# Altium PCB AMTAUD.PcbDoc (part 2 of 2)
Units mm, origin at the board's own origin, x right, y up, seen from the top; angles counter-clockwise.
Board outline 79 x 63 mm, 4 copper layers (Top Layer, Layer 2, Layer 3, Bottom Layer), stack 1.513 mm thick; 100 components, 53 nets, 264 pads, 307 vias.
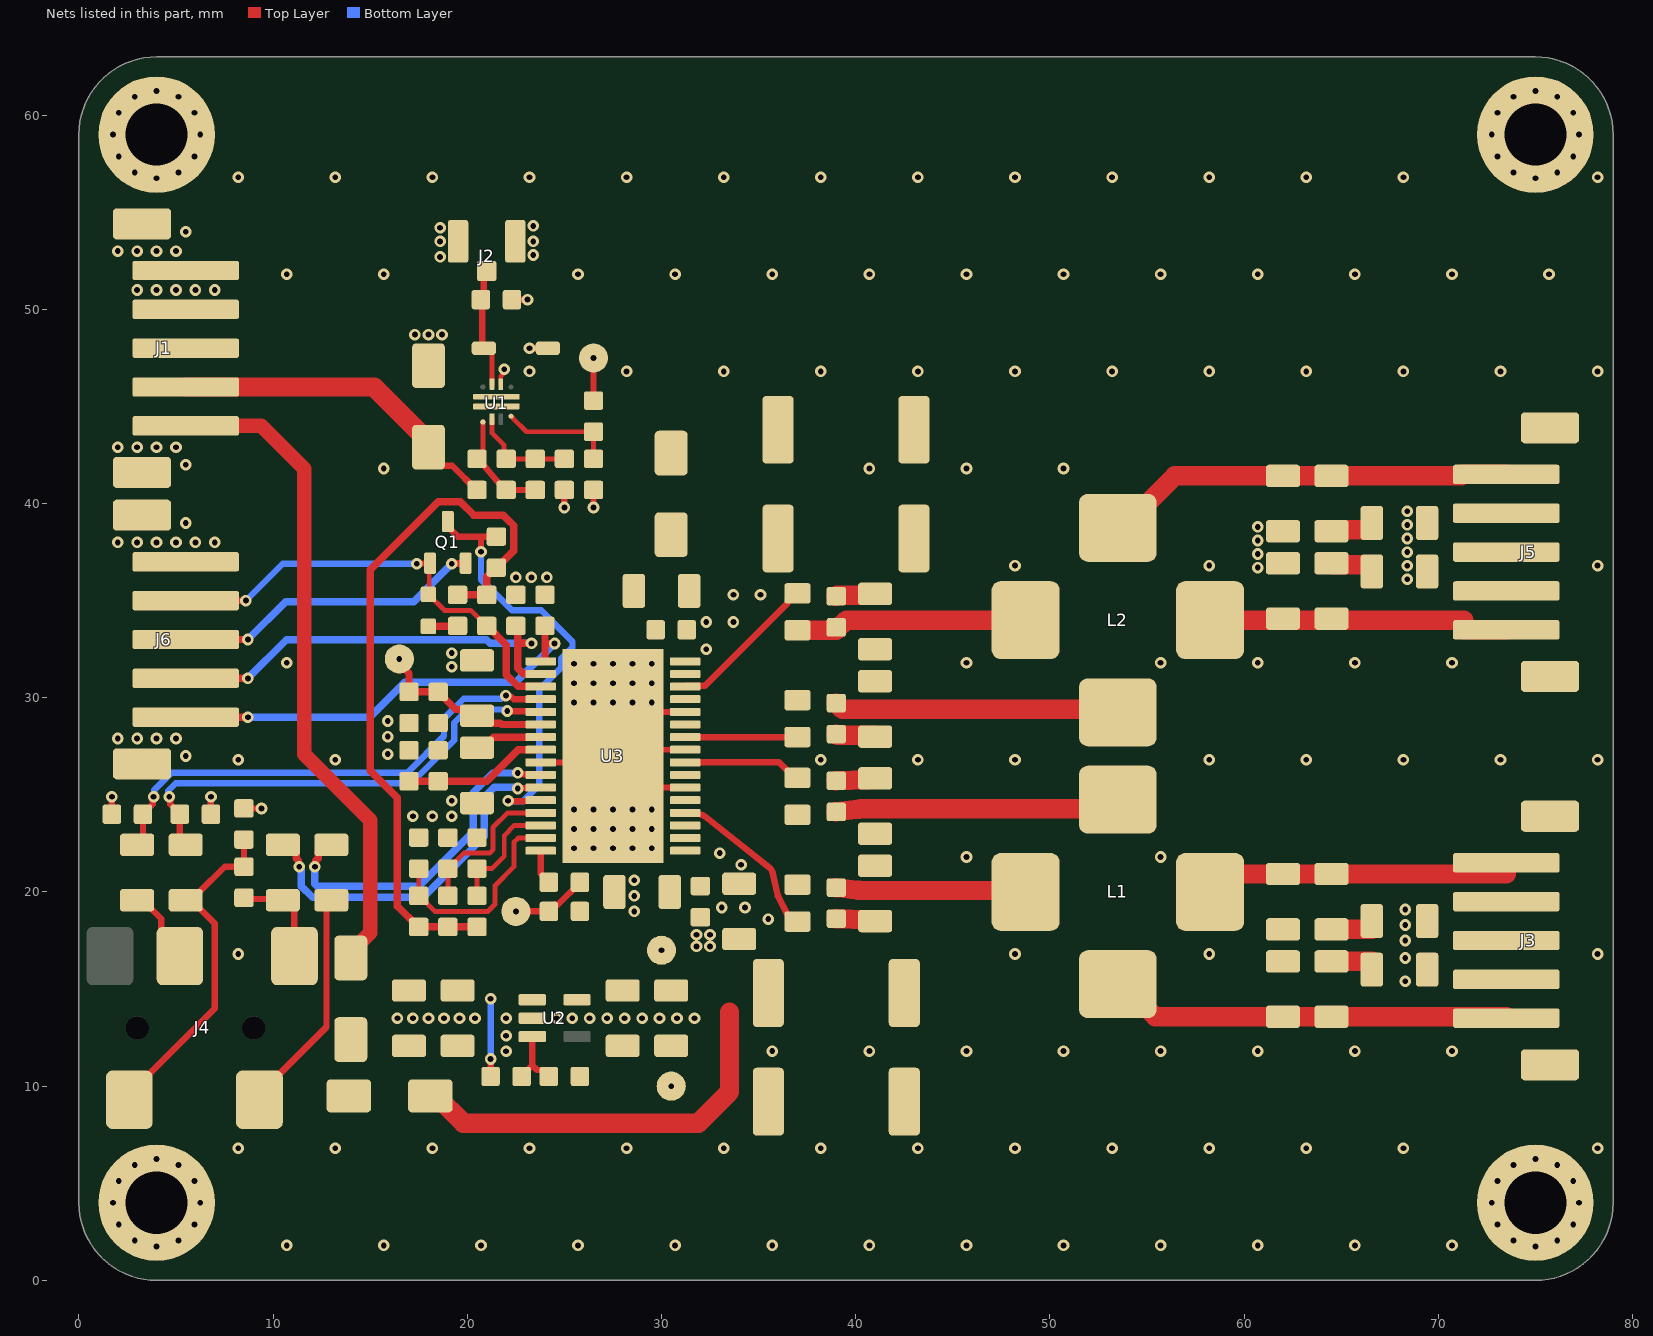
[diagram p4: the nets of this part, all layers, seen from the top]

## Part data (continued)
TP1 TP2 TP4 TP5 TP6: library part CMP-027-000000-17, "Testpad land", Component Type=Standard, Design Item ID=Testpad, Pin Count=1
U1: library part CMP-019-00108-1, "2.7V~23V 5.5A VQFN-10-HR(2x2) Power Distribution Switches ROHS", JLCPCB Part #=C3210761, RoHS Compliant=Yes
U2: library part CMP-019-00109-1, "Linear Voltage Regulator IC Positive Fixed 1 Output 5V 150mA SOT-23-5", Case/Package=SOT-23-5, Dropout Voltage=690mV, JLCPCB Part #=C96028, Max Operating Temperature=125°C, Max Output current=150mA, Max Supply Voltage=30V, Min Current Limit=200mA, Min Input Voltage=2.7V, Min Operating Temperature=-40°C, Nominal Output Voltage=5V, Package Quantity=1, Power Supply Rejection Ratio (PSRR)=80dB, Accuracy=2%, Lead Free="Lead Free", Mounting Technology="Surface Mount", Number of Outputs=1, Number of Regulators=1, Output Current=150mA, Output Type=Fixed, Output Voltage=5V, Packaging="Tape and Reel", Pins=5, Polarity=Positive, Radiation Hardening=No, Reach SVHC Compliant=No, RoHS Compliant=Yes, Series=-
U3: library part CMP-014-00029-7, "Audio Amp Speaker 1-CH Mono/2-CH Stereo 60W Class-D 32-Pin HTSSOP EP Tube", Case/Package=HTSSOP, JLCPCB Part #=C473362, Max Operating Temperature=85°C, Max Output Power=30W, Min Operating Temperature=-40°C, Mounting Technology="Surface Mount", Packaging=Rail/Tube, RoHS Compliant=Yes, Series=-

## Via types
v1: diameter 0.6, hole 0.3, Top Layer to Bottom Layer, tented both sides, 307 vias

## Nets (pads, with @x,y where several pads share a name; then routed paths per layer and width w, separated by ;. In a path a pad name is that pad's centre, name@x,y a point inside that pad or via, vN(x,y) a via of type N, cw(c..) or ccw(c..) an arc to the next point about the centre after c; other vN are vias at no path point)
+5V: C3.2 C4.2 C29.2 R11.1 R16.2 R18.1 R19.1 R20.1 R22.1 TP2.1 U2.5 U3.17 | length 37.5
  Top Layer w0.381: R16.2@19.5,35.3 R18.1@21,35.3 21,36.225 21.475,36.7 21.525,36.7 22.391,37.566 22.391,38.867 22.092,39.166 21.858,39.4 20.342,39.4 19.642,40.1 18.5,40.1 15,36.6 15,26.242 16.4,24.842 16.4,19.275 17.475,18.2 R19.1@17.5,18.2 R22.1@19,18.2 R20.1@20.5,18.2
AM0: R19.2 R32.1 U3.15 | length 10.9
  Top Layer w0.25: R32.1@17.5,21.2 R19.2@17.5,19.8 17.525,19.8 18.325,19 21.065,19 21.425,19.36 21.425,20.325 22.4,21.3 22.4,22.555 22.62,22.775 U3.15@23.78,22.775
AM1: R20.2 R31.1 U3.14 | length 6.2
  Top Layer w0.25: R20.2@20.5,19.8 R31.1@20.5,21.2 21.264,21.2 21.9,21.836 21.9,22.9 22.425,23.425 U3.14@23.78,23.425
AM2: R22.2 R30.1 U3.13 | length 8
  Top Layer w0.25: R22.2@19,19.8 R30.1@19,21.2 ; R30.1@19.025,21.2 19.825,22 21.154,22 21.325,22.171 21.325,23.325 22.075,24.075 U3.13@23.78,24.075
ENABLE: J6.2 R26.2 U3.2 | length 22.8
  Top Layer w0.381: J6.2@5.5,31 v1(8.7,31) ; R26.2@22.605,33.595 22.605,32.8 ; v1(23.31,32.8) 22.605,32.8 ; U3.2@23.78,31.225 23.766,31.24 22.884,31.24 22.605,31.519 22.605,32.8
  Bottom Layer w0.381: v1(8.7,31) 10.69,32.991 20.987,32.991 21.177,32.8 v1(23.31,32.8)
ERROR: D5.1 J6.4 Q1.1 R18.2 U3.3 | length 23.5
  Top Layer w0.25: D5.1@18,35.325 18.825,34.5 20.175,34.5 20.975,33.7 R18.2@21,33.7 ; D5.1@18.043,35.368 Q1.1@18.043,36.888
  Top Layer w0.33: J6.4@5.5,35 v1(8.6,35) ; v1(17.4,36.9) 17.415,36.915 18.015,36.915 Q1.1@18.043,36.888
  Top Layer w0.381: R18.2@21.025,33.7 22.011,32.714 22.011,31.189 22.611,30.59 23.766,30.59 U3.3@23.78,30.575
  Bottom Layer w0.33: v1(8.6,35) 10.5,36.9 v1(17.4,36.9)
GAIN: R17.1 R24.2 U3.8 | length 7.5
  Top Layer w0.381: R24.2@17,25.7 R17.1@18.5,25.7 21,25.7 22.625,27.325 U3.8@23.78,27.325
GND: C1.1 C2.1 C3.1 C4.1 C17.1 C18.1 C19.1 C20.1 C21.2 C22.2 C23.2 C24.2 C25.2 C26.2 C27.1 C28.1 C29.1 C30.1 C31.1 C32.2 C33.1 C34.1 C35.1 C36.1 D3.2 D4.2 D6.2 J1.4 J1.5 J1.MP1 J1.MP2 J2.1 J2.2 J3.3 J3.MP1 J3.MP2 J5.3 J5.MP1 J5.MP2 J6.5 J6.MP1 J6.MP2 MP1.1 MP2.1 MP3.1 MP4.1 R6.2 R7.1 R8.1 R9.1 R10.2 R12.2 R13.2 R14.2 R23.1 R24.1 R25.1 R26.1 R27.1 R28.1 R29.1 R30.2 R31.2 R32.2 TP6.1 U1.8 U2.2 U3.9 U3.22 U3.25 U3.28 U3.33 | length 23.9
  Top Layer w0.25: U1.8@21.725,46.15 21.725,46.265 21.725,46.555 21.833,46.663 21.833,46.846 v1(21.9,46.912)
  Top Layer w0.3: U3.9@23.78,26.675 27.175,26.675 U3.33@27.5,27 ; U3.22@31.22,25.375 29.125,25.375 U3.33@27.5,27 ; U3.25@31.22,27.325 27.825,27.325 U3.33@27.5,27 ; U3.28@31.22,29.275 31.215,29.27 29.77,29.27 U3.33@27.5,27
  Top Layer w0.33: R29.1@1.7,24 v1(1.7,24.9) ; R28.1@6.8,24 v1(6.8,24.9) ; R23.1@8.5,24.3 v1(9.4,24.3) ; R8.1@22.3,50.5 v1(23.1,50.5) ; v1(23.2,48) D6.2@24.15,48 ; v1(25,39.8) R7.1@25,40.7 ; v1(26.5,39.8) R9.1@26.5,40.7
  other v1: 4,1.75 75,1.75 10.702,1.804 15.702,1.804 20.702,1.804 25.702,1.804 30.702,1.804 35.702,1.804 40.702,1.804 45.702,1.804 50.702,1.804 55.702,1.804 60.702,1.804 65.702,1.804 70.702,1.804 2.875,2.051 5.125,2.051 73.875,2.051 76.125,2.051 2.051,2.875 5.949,2.875 73.051,2.875 76.949,2.875 1.75,4 6.25,4 72.75,4 77.25,4 2.051,5.125 5.949,5.125 73.051,5.125 76.949,5.125 2.875,5.949 5.125,5.949 73.875,5.949 76.125,5.949 4,6.25 75,6.25 8.202,6.804 13.202,6.804 18.202,6.804 23.202,6.804 28.202,6.804 33.202,6.804 38.202,6.804 43.202,6.804 48.202,6.804 53.202,6.804 58.202,6.804 63.202,6.804 68.202,6.804 78.202,6.804 22,11.8 35.702,11.804 40.702,11.804 45.702,11.804 50.702,11.804 55.702,11.804 60.702,11.804 65.702,11.804 70.702,11.804 22,12.6 16.4,13.5 17.2,13.5 18,13.5 18.8,13.5 19.6,13.5 20.4,13.5 22,13.5 24.6,13.5 25.4,13.5 26.3,13.5 27.2,13.5 28.1,13.5 29,13.5 29.9,13.5 30.8,13.5 31.7,13.5 68.3,15.4 68.3,16.6 8.202,16.804 48.202,16.804 58.202,16.804 78.202,16.804 31.8,17.2 32.5,17.2 68.3,17.5 31.8,17.8 32.5,17.8 68.3,18.3 28.6,19 68.3,19.1 28.6,19.8 28.6,20.6 45.702,21.804 55.702,21.804 25.5,22.25 26.5,22.25 27.5,22.25 28.5,22.25 29.5,22.25 25.5,23.25 26.5,23.25 27.5,23.25 28.5,23.25 29.5,23.25 17.2,23.9 18.2,23.9 19.2,23.9 25.5,24.25 26.5,24.25 27.5,24.25 28.5,24.25 29.5,24.25 19.2,24.7 8.202,26.804 13.202,26.804 38.202,26.804 43.202,26.804 48.202,26.804 58.202,26.804 63.202,26.804 68.202,26.804 73.202,26.804 78.202,26.804 5.5,27 15.9,27.1 2,27.9 3,27.9 4,27.9 5,27.9 15.9,28 15.9,28.8 25.5,29.75 26.5,29.75 27.5,29.75 28.5,29.75 29.5,29.75 25.5,30.75 26.5,30.75 27.5,30.75 28.5,30.75 29.5,30.75 19.2,31.6 25.5,31.75 26.5,31.75 27.5,31.75 28.5,31.75 29.5,31.75 10.702,31.804 45.702,31.804 55.702,31.804 60.702,31.804 65.702,31.804 70.702,31.804 19.2,32.3 68.4,36.1 22.5,36.2 23.3,36.2 24.1,36.2 60.7,36.7 48.202,36.804 58.202,36.804 68.4,36.8 78.202,36.804 60.7,37.4 68.4,37.5 2,38 3,38 4,38 5,38 6,38 7,38 60.7,38.1 68.4,38.2 60.7,38.8 68.4,38.9 5.5,39 68.4,39.6 15.702,41.804 40.702,41.804 45.702,41.804 50.702,41.804 5.5,42 2,42.9 3,42.9 4,42.9 5,42.9 23.202,46.804 28.202,46.804 33.202,46.804 38.202,46.804 43.202,46.804 48.202,46.804 53.202,46.804 58.202,46.804 63.202,46.804 68.202,46.804 73.202,46.804 78.202,46.804 17.3,48.7 18,48.7 18.7,48.7 3,51 4,51 5,51 6,51 7,51 10.702,51.804 15.702,51.804 25.702,51.804 30.702,51.804 35.702,51.804 40.702,51.804 45.702,51.804 50.702,51.804 55.702,51.804 60.702,51.804 65.702,51.804 70.702,51.804 75.702,51.804 18.6,52.7 23.4,52.8 2,53 3,53 4,53 5,53 18.6,53.5 23.4,53.5 5.5,54 18.6,54.2 23.4,54.3 4,56.75 75,56.75 8.202,56.804 13.202,56.804 18.202,56.804 23.202,56.804 28.202,56.804 33.202,56.804 38.202,56.804 43.202,56.804 48.202,56.804 53.202,56.804 58.202,56.804 63.202,56.804 68.202,56.804 78.202,56.804 2.875,57.051 5.125,57.051 73.875,57.051 76.125,57.051 2.051,57.875 5.949,57.875 73.051,57.875 76.949,57.875 1.75,59 6.25,59 72.75,59 77.25,59 2.051,60.125 5.949,60.125 73.051,60.125 76.949,60.125 2.875,60.949 5.125,60.949 73.875,60.949 76.125,60.949 4,61.25 75,61.25
GVDD: C30.2 R15.1 R17.2 U3.7 | length 4.1
  Top Layer w0.381: C30.2@20.425,27.091 C30.2@20.809,27.475 ; C30.2@20.5,27.425 20.8,27.425 21.35,27.975 U3.7@23.78,27.975
LIN_N: C10.1 U3.11 | length 18.8
  Top Layer w0.33: v1(22.596,25.33) 22.618,25.353 23.758,25.353 U3.11@23.78,25.375
  Top Layer w0.381: C10.1@10.5,22.425 10.8,22.425 11.184,22.041 11.184,21.741 11.308,21.617 11.308,21.342 v1(11.35,21.3)
  Bottom Layer w0.381: v1@11.365,21.285 11.365,21.226 11.459,21.131 11.459,20.288 12.028,19.719 17.741,19.719 20.881,22.859 20.881,24.881 21.391,25.391 22.386,25.391 22.405,25.372 22.554,25.372 v1(22.596,25.33)
LIN_P: C7.1 U3.10 | length 17.9
  Top Layer w0.33: v1(22.6,26.13) 22.673,26.13 22.738,26.065 23.74,26.065 U3.10@23.78,26.025
  Top Layer w0.381: v1(12.15,21.3) 12.192,21.342 12.192,21.617 12.315,21.741 12.315,22.041 12.7,22.425 C7.1@13,22.425
  Bottom Layer w0.381: v1(12.15,21.3) 12.14,21.291 12.14,20.429 12.269,20.3 17.5,20.3 20.3,23.1 20.3,25.122 21.305,26.127 22.597,26.127 v1(22.6,26.13)
LOUT_N: C8.2 C9.2 L1.1 U3.21 | length 9.8
  Top Layer w1: C9.2@39,20.225 40.166,20.081 ccw(c40.269,20.919) 40.269,20.075 47.5,20.075 L1.1@48.75,20.5
LOUT_P: C5.2 C6.2 L1.2 U3.23 | length 14.8
  Top Layer w1: C6.2@39,24.125 40.166,24.269 cw(c40.269,23.431) 40.269,24.275 52,24.275 L1.2@53.5,25.25
MODE: J6.1 R27.2 U3.1 | length 23.4
  Top Layer w0.381: J6.1@5.5,29 v1(8.7,29) ; U3.1@23.5,31.89 23.515,31.875 U3.1@23.78,31.875 23.985,31.875 24,31.89 24,32.795 ; R27.2@24,33.7 24,32.795 ; v1(24.496,32.795) 24,32.795
  Bottom Layer w0.381: v1(8.7,29) 14.977,29 16.779,30.803 22.504,30.803 v1(24.496,32.795)
MUTE: J6.3 Q1.2 | length 16
  Top Layer w0.381: J6.3@5.5,33 v1(8.7,33) ; v1(19.2,36.9) 19.215,36.915 19.9,36.915 Q1.2@19.915,36.93
  Bottom Layer w0.381: v1(8.7,33) 10.65,34.95 17.25,34.95 v1(19.2,36.9)
NetC1_2: C1.2 C2.2 D1.1 D2.1 R3.1 U2.1 | length 4.4
  Top Layer w0.33: R3.1@21.2,10.5 v1(21.2,11.4)
  Top Layer w0.75: D2.1@13.9,9.5 D2.1@13.95,9.55 ; D1.1@13.95,12.35 D1.1@14,12.4 D1.1@14,12.7
  Bottom Layer w0.33: v1(21.2,11.4) v1(21.2,14.5)
NetC5_1: C5.1 U3.24 | length 6.1
  Top Layer w0.33: U3.24@31.22,26.675 36.05,26.675 36.85,25.875 C5.1@37,25.875
NetC6_1: C6.1 R10.1 | length 2
  Top Layer w1: C6.1@39,25.725 40.625,25.775 R10.1@41,25.85
NetC7_2: C7.2 J4.2 | length 11.8
  Top Layer w0.33: J4.2@9.3,9.3 9.3,9.6 12.75,13.05 12.75,19.325 C7.2@13,19.575
NetC8_1: C8.1 U3.20 | length 8.5
  Top Layer w0.33: U3.20@31.22,24.075 31.84,24.035 32.052,23.983 cw(c31.954,23.579) 32.213,23.905 35.548,21.255 cw(c35.231,20.856) 35.728,20.967 35.972,19.873 ccw(c36.456,19.981) 36.015,19.753 36.49,18.835 C8.1@37,18.475
NetC9_1: C9.1 R12.1 | length 2
  Top Layer w1: C9.1@39,18.625 40.625,18.575 R12.1@41,18.5
NetC10_2: C10.2 J4.4 R37.2 | length 5.3
  Top Layer w0.33: R37.2@8.5,19.7 8.563,19.638 10.438,19.638 C10.2@10.5,19.575 10.69,19.575 11.1,19.165 J4.4@11.1,16.7
NetC11_1: C11.1 U3.30 | length 7.9
  Top Layer w0.33: U3.30@31.22,30.575 31.26,30.615 32.24,30.615 36.49,34.865 36.49,35.015 36.85,35.375 C11.1@37,35.375
NetC12_1: C12.1 R13.1 | length 2.1
  Top Layer w1: C12.1@39,35.225 39.05,35.275 40.925,35.275 R13.1@41,35.35
NetC13_2: C13.2 J4.3 | length 4
  Top Layer w0.33: C13.2@3,19.575 3.3,19.575 4.248,18.627 4.248,17.652 J4.3@5.2,16.7
NetC14_2: C14.2 J4.1 R23.2 R37.1 | length 17.7
  Top Layer w0.33: J4.1@2.6,9.3 2.6,9.6 7,14 7,18.375 C14.2@5.8,19.575 ; C14.2@5.5,19.575 C14.2@5.8,19.575 ; R23.2@8.5,22.7 R37.1@8.5,21.3 7.505,21.3 6.21,20.005 6.21,19.985 C14.2@5.8,19.575
NetC15_1: C15.1 U3.26 | length 5.8
  Top Layer w0.33: U3.26@31.22,27.975 36.95,27.975 36.975,28 C15.1@37,27.975
NetC16_1: C16.1 R14.1 | length 2.1
  Top Layer w1: C16.1@39,28.125 39.05,28.075 40.925,28.075 R14.1@41,28
NetC17_2: C17.2 J5.1 J5.2 L2.4 R33.2 | length 21.1
  Top Layer w1: L2.4@53.5,38.75 53.75,38.75 56.425,41.425 C17.2@62,41.425 R33.2@64.5,41.425 71.175,41.425 71.25,41.5 J5.1@73.5,41.5
NetC18_2: C18.2 J5.4 J5.5 L2.3 R34.2 | length 15.8
  Top Layer w1: L2.3@58.25,34 62,34 63.5,34 64.125,34 64.2,34.075 R34.2@64.5,34.075 64.575,34 65.234,34 71.3,34 71.3,33.5 J5.5@73.5,33.5
NetC19_2: C19.2 J3.1 J3.2 L1.4 R35.2 | length 16.8
  Top Layer w1: L1.4@58.25,20 58.25,20.925 C19.2@62,20.925 R35.2@64.5,20.925 73.5,20.925 J3.1@73.5,21.5
NetC20_2: C20.2 J3.4 J3.5 L1.3 R36.2 | length 20.8
  Top Layer w1: L1.3@53.5,15.25 53.75,15.25 55.425,13.575 R36.2@64.5,13.575 73.5,13.575 J3.5@73.5,13.5
NetC32_1: C32.1 R21.1 TP5.1 | length 3.9
  Top Layer w0.33: TP5.1@22.5,19 C32.1@24.2,19 ; C32.1@24.2,19.025 24.51,19.335 24.66,19.335 25.8,20.475 R21.1@25.8,20.5
NetC33_2: C33.2 R33.1 | length 2.4
  Top Layer w1: R33.1@64.5,38.575 64.575,38.65 66.5,38.65 66.575,38.725 C33.2@66.575,39
NetC34_2: C34.2 R34.1 | length 2.4
  Top Layer w1: R34.1@64.5,36.925 64.575,36.85 66.5,36.85 66.575,36.775 C34.2@66.575,36.5
NetC35_2: C35.2 R35.1 | length 2.5
  Top Layer w1: R35.1@64.5,18.075 66.575,18.075 C35.2@66.575,18.5
NetC36_2: C36.2 R36.1 | length 2.5
  Top Layer w1: R36.1@64.5,16.425 66.575,16.425 C36.2@66.575,16
NetD5_2: D5.2 R16.1 | length 1.5
  Top Layer w0.381: D5.2@18,33.675 18.012,33.688 19.487,33.688 R16.1@19.5,33.7
NetD6_1: D6.1 J2.3 R8.2 U1.9 | length 6.3
  Top Layer w0.25: D6.1@20.85,48 21.053,48 21.275,47.778 U1.9@21.275,46.15
  Top Layer w0.33: D6.1@20.85,48 20.775,48.075 20.775,50.425 R8.2@20.7,50.5 20.85,50.65 20.85,51.825 J2.3@21,51.975
NetQ1_3: Q1.3 R11.2 U3.12 | length 23
  Top Layer w0.33: Q1.3@19,39.07 19.14,38.93 19.14,38.66 19.5,38.3 20.707,38.3 ; v1(20.707,37.518) 20.707,38.3 ; R11.2@21.5,38.3 20.707,38.3 ; v1(22.1,24.7) 22.135,24.665 22.871,24.665 22.891,24.685 23.74,24.685 U3.12@23.78,24.725
  Bottom Layer w0.33: v1(20.707,37.518) 20.707,36.093 22.3,34.5 23.8,34.5 25.418,32.882 25.418,32.608 25.225,32.415 24.835,32.025 24.835,31.563 23.7,30.428 23.7,25.494 22.871,24.665 22.135,24.665 v1(22.1,24.7)
NetR1_1: R1.1 R4.2 R5.2 U1.1 | length 5.3
  Top Layer w0.25: R1.1@20.8,42.6 U1.1@20.8,44.2
  Top Layer w0.33: R1.1@20.5,42.3 20.835,41.99 21.665,41.01 R5.2@22,40.7 R4.2@23.5,40.7
NetR2_2: R2.2 R9.2 U1.4 | length 5.8
  Top Layer w0.25: 22.35,44.4 23.05,43.7 R2.2@26.5,43.7 R9.2@26.5,42.3
NetR3_2: R3.2 R6.1 U2.3 | length 3.4
  Top Layer w0.33: R3.2@22.8,10.5 22.8,10.525 23.349,11.074 ; U2.3@23.349,12.55 23.349,11.074 ; R6.1@24.2,10.5 24.2,10.525 23.89,10.835 23.589,10.835 23.349,11.074
NetR4_1: R4.1 R5.1 R7.2 U1.2 | length 5.4
  Top Layer w0.25: U1.2@21.275,44.35 21.275,43.625 21.896,43.004 21.896,42.404 R5.1@22,42.3 R7.2@25,42.3
PLIMIT: C31.2 R15.2 R25.2 TP4.1 U3.6 | length 9.4
  Top Layer w0.381: TP4.1@16.5,32 16.5,31.76 17,31.26 R25.2@17,30.3 18.525,30.3 18.81,30.016 18.81,29.991 19.406,29.394 20.181,29.394 20.884,28.691 21.709,28.691 21.775,28.625 U3.6@23.78,28.625
RIN_N: C14.1 R28.2 U3.5 | length 24.7
  Top Layer w0.33: v1(4.65,24.9) 4.702,24.848 4.702,24.523 5.2,24.025 R28.2@5.2,24 5.2,22.725 C14.1@5.5,22.425 ; v1(22.061,29.316) 22.081,29.295 23.76,29.295 U3.5@23.78,29.275
  Bottom Layer w0.33: v1(4.65,24.9) 4.598,24.952 4.598,25.217 4.982,25.6 17.12,25.6 19.33,27.81 19.33,28.71 20.015,29.395 21.79,29.395 21.818,29.367 22.009,29.367 v1(22.061,29.316)
RIN_P: C13.1 R29.2 U3.4 | length 25.7
  Top Layer w0.33: C13.1@3,22.425 3.3,22.725 R29.2@3.3,24 ; R29.2@3.3,24.025 3.798,24.523 3.798,24.848 v1(3.85,24.9) ; v1(21.987,30.112) 22.039,30.06 22.23,30.06 22.259,30.031 22.285,30.031 22.392,29.925 U3.4@23.78,29.925
  Bottom Layer w0.33: v1(3.85,24.9) 3.885,24.935 3.885,25.253 4.762,26.13 16.9,26.13 18.8,28.03 18.8,28.93 19.825,29.955 21.757,29.955 21.914,30.112 v1(21.987,30.112)
ROUT_N: C15.2 C16.2 L2.1 U3.27 | length 14.7
  Top Layer w1: C16.2@39,29.725 39.325,29.4 53.35,29.4 L2.1@53.5,29.25
ROUT_P: C11.2 C12.2 L2.2 U3.29 | length 12
  Top Layer w1: C11.2@37,33.475 38.85,33.475 C12.2@39,33.625 ; C12.2@39,33.475 39.525,34 L2.2@48.75,34
SYNC: R21.2 U3.16 | length 1.8
  Top Layer w0.33: U3.16@23.78,22.125 23.78,20.945 24.2,20.525 R21.2@24.2,20.5
VAA: C21.1 C22.1 C23.1 C24.1 C25.1 C26.1 C27.2 C28.2 D2.2 D4.1 R2.1 TP1.1 U1.6 U3.18 U3.19 U3.31 U3.32 | length 22.9
  Top Layer w0.33: R2.1@26.5,45.3 TP1.1@26.5,47.5
  Top Layer w1: D2.2@18.1,9.5 18.4,9.5 19.8,8.1 31.9,8.1 33.5,9.7 33.5,13.8
  other v1: 35.5,18.6 33.1,19.2 34.3,19.2 34.1,21.4 33,22 32.3,32.5 32.3,33.9 33.7,33.9 33.7,35.3 35.1,35.3
VDRIVER: D3.1 J1.2 J1.3 R1.2 U1.5 | length 17.5
  Top Layer w0.33: D3.1@18,42.9 18,42.626 18.681,41.944 19.231,41.944 20.475,40.7 R1.2@20.5,40.7
  Top Layer w1: J1.2@5.5,46 15.2,46 18,43.2 D3.1@18,42.9
VLOGIC: D1.2 J1.1 | length 34
  Top Layer w0.75: J1.1@5.5,44 9.4,44 11.6,41.8 11.6,27.1 15,23.7 15,17.9 14,16.9 D1.2@14,16.6
pads on no net: J4.5 J4.MP1 J4.MP2 U1.3 U1.7 U1.10 U2.4

## Polygon pours and split planes (outlines as drawn)
GND on Top Layer "GND_L01_P027" (solid, remove dead copper, pour order 27): 0,0 0,63 100,63 100,0
GND on Top Layer "GND_L01_P024" (solid, remove dead copper, pour order 24): 68,19.5 70.1,19.5 70.1,18.1 76.3,18.1 76.3,17 70.1,17 70.1,15 68,15
GND on Top Layer "NONET_L-01_P-001" (solid, remove dead copper, pour order 23): 68,40 70.2,40 70.2,38.1 76.3,38.1 76.3,37 70.2,37 70.2,35.5 68,35.5
VDRIVER on Top Layer "VDRIVER_L01_P022" (solid, remove dead copper, pour order 22): 15.9,45.8 17.1,44.6 17.1,41.7 19,41.7 19,43.4 20.4,44.8 20.4,45.2 20.4,45.8
VAA on Top Layer "NONET_L-01_P-001" (solid, remove dead copper, pour order 18): 29.5,40 29.5,43.8 27.4,45.9 22.65,45.9 22.65,45.3 22.8,45.3 22.8,44.8 22.9,44.7 27.2,44.7 27.2,38.4 29.5,36.1 29.5,34.9 30.5,33.9 30.4,33.8 30.4,31 32.2,31 37.1,35.9 44.5,35.9 44.5,40
GND on Top Layer "NONET_L-01_P-001" (solid, remove dead copper, pour order 17): 31.389,19.286 32.7,19.3 32.7,18.3 35,18.3 35,16.927 31.4,16.9
VAA on Top Layer "NONET_L-01_P-001" (solid, remove dead copper, pour order 16): 35.5,21.1 36.49,18.835 36.5,18 43.5,18 43.5,13 32.2,13 32.2,16.9 35,16.9 35,18.3 32.7,18.3 32.7,19.711 31.489,19.715 31.5,22.6 31.5,23.6 32.2,23.6
LOUT_N on Top Layer "NONET_L-01_P-001" (solid, remove dead copper, pour order 15): 31.8,24.9 32.1,24.9 39.6,21 39.6,19.7 36.3,19.7 36.3,21.1 32.1,24.5 31.8,24.5
GND on Top Layer "NONET_L-01_P-001" (solid, remove dead copper, pour order 14): 31.8,25.6 32.1,25.6 36.4,23.4 41.9,23.4 41.9,20.8 40.1,20.8 32.1,25.1 31.8,25.1
LOUT_P on Top Layer "NONET_L-01_P-001" (solid, remove dead copper, pour order 13): 31.4,26.2 35.1,26.2 36.7,24.6 39.4,24.6 39.4,23.4 36.4,23.4 32,25.8 31.4,25.8
ROUT_N on Top Layer "NONET_L-01_P-001" (solid, remove dead copper, pour order 12): 39.7,29.2 36.5,29.2 35.5,28.2 31.5,28.2 31.5,29.1 33.3,29.1 34.794,30.594 39.494,30.594 39.6,30.7 39.7,30.6
GND on Top Layer "NONET_L-01_P-001" (solid, remove dead copper, pour order 11): 31.7,29 33.7,29.2 35.9,30.7 39.6,30.7 40.1,30.2 40.2,30.3 42,30.3 42,33.1 36.8,33.1 33.3,29.9 31.7,29.7
ROUT_P on Top Layer "NONET_L-01_P-001" (solid, remove dead copper, pour order 10): 33.3,29.9 36.336,32.986 37.686,32.986 37.7,33 37.7,34 36,34 34.059,32.059 32.201,30.2 31.7,30.2 31.7,29.7
GND on Top Layer "NONET_L-01_P-001" (solid, remove dead copper, pour order 9): 20.1,55.5 20.1,46.5 9,46.5 9,25.5 0.5,25.5 0.5,55.5
GND on Top Layer "NONET_L-01_P-001" (solid, remove dead copper, pour order 8): 25.3,19.6 26.4,19.6 26.4,21 29,21 29,18.1 25.3,18.1
+5V on Top Layer "NONET_L-01_P-001" (solid, remove dead copper, pour order 7): 31.2,16.8 32,16.8 32,14 24.3,14 24.3,16 16.8,16 16.8,18.3 29.7,18.3 29.7,22.4 31.7,22.4 32.106,22.402 32.104,21.801 31.203,20.9 31.2,20.9
GND on Top Layer "NONET_L-01_P-001" (solid, remove dead copper, pour order 6): 32.1,13.9 32.1,8.5 25,8.5 25,13 22.4,13 22.4,11.5 16,11.5 16,13.9
NetC1_2 on Top Layer "NONET_L-01_P-001" (solid, remove dead copper, pour order 5): 24.3,15.8 24.3,14.1 15.6,14.1 15.6,8.6 12.5,8.6 12.5,15.8 13.1,15.8 12.5,15.8 13.1,15.8
GND on Top Layer "NONET_L-01_P-001" (solid, remove dead copper, pour order 4): 22,34.8 22,36.5 24.6,36.5 24.6,34.8
GND on Top Layer "NONET_L-01_P-001" (solid, remove dead copper, pour order 3): 17.6,29.2 15.5,29.2 15.5,26.8 17.6,26.8
GND on Top Layer "NONET_L-01_P-001" (solid, remove dead copper, pour order 2): 21,23.9 21,22.3 16.8,22.3 16.8,24.3 18.9,24.3 18.9,25.2 21.5,25.2 21.5,23.9
GVDD on Top Layer "NONET_L-01_P-001" (solid, remove dead copper, pour order 1): 17.8,29.2 19.1,29.2 19.1,28.3 21.5,28.3 21.5,26.8 17.8,26.8
GND on Top Layer "NONET_L-01_P-001" (solid, remove dead copper, pour order 0): 21.5,32.6 18.9,32.6 18.9,31.3 21.5,31.3
GND on Layer 2 "GND_L02_P025" (solid, remove dead copper, pour order 25): 0,0 0,63 100,63 100,0
GND on Bottom Layer "GND_L04_P026" (solid, remove dead copper, pour order 26): 0,0 0,63 100,63 100,0
VAA on Layer 3 "VAA_L03_P028" (solid, remove dead copper, pour order 28): 2,55 2,8 77,8 77,55

## Other copper
Top Layer:
  rectangle net NetC20_2: 70.7,13 76.3,16
  rectangle net NetC19_2: 70.7,19 76.3,22
  rectangle net GND: 60.3,36.3 62.9,39.2
  rectangle net NetC18_2: 70.7,33 76.3,36.1
  rectangle net NetC17_2: 70.7,38.9 76.3,42.1
  rectangle net VDRIVER: 2.7,45.6 8.3,48.5
  region net GND: 23.8,54.6 21.9,54.6 21.9,52.4 23.8,52.4

## Silkscreen, mask and mechanical layers (free items; w line width, h text height)
Top Overlay:
  rectangle: 30,47 40,49
  rectangle: 41,47 49,55
  rectangle: 8.5,28.5 9,29.5
  rectangle: 8.5,30.5 9,31.5
  rectangle: 8.5,32.5 9,33.5
  rectangle: 8.5,34.5 9,35.5
  rectangle: 8.5,36.5 9,37.5
  rectangle: 8.5,43.5 9,44.5
  rectangle: 8.5,45.5 9,48.5
  rectangle: 8.5,49.5 9,52.5
  text "IMON" at 23.95,52.985 h2
  text "GND" at 9,50.155 h2
  text ".VersionControl_RevNumberShort" at 61.75,49.08 h2.5
  text ".board_name / .board_revision.- / Git ID :" at 50,49 h2.5
  text "VAA" at 25.45,48.765 h2
  text "VDRIVER" at 9.25,46.465 h2
  text "VLOGIC" at 9,43.255 h2
  text "RIGHT →" at 63,42.927 h2
  text "GND" at 9,36.255 h2
  text "ERROR" at 9,34.255 h2
  text "PLIMIT" at 16.935,33.25 h2 r90
  text "MUTE" at 9,32.285 h2
  text "ENABLE" at 9.25,30.565 h2
  text "MODE" at 9,28.255 h2
  text "LEFT →" at 63,22.427 h2
  text "+5V" at 26.25,16.465 h2
  text "SYNC" at 18.75,16.135 h2
  text "GND" at 28.65,7.735 h2
Top Solder:
  rectangle: 0,56 79,63
  rectangle: 0,0 79,7
Bottom Solder:
  rectangle: 0,56 79,63
  rectangle: 0,0 79,7
Board outline:
  the board outline again, w0.1
Fab Notes:
  drawing of 196 lines, arcs and shapes, not listed
  text "Layer" at 88.191,90.191 h2
  text "Name" at 96.413,90.191 h2
  text "Material" at 112.669,90.191 h2
  text "Thickness" at 123.913,90.191 h2
  text "Constant" at 135.42,90.191 h2
  text "Board Layer Stack" at 146.462,90.191 h2
  text "Top Overlay" at 96.413,86.191 h2
  text "Top Solder" at 96.413,82.191 h2
  text "SM-001" at 112.669,82.191 h2
  text "0.025mm" at 123.913,82.191 h2
  text "4" at 135.42,82.191 h2
  text "1" at 88.191,78.191 h2
  text "Top Layer" at 96.413,78.191 h2
  text "CF-004" at 112.669,78.191 h2
  text "0.035mm" at 123.913,78.191 h2
  text "Dielectric 2" at 96.413,74.191 h2
  text "PP-022" at 112.669,74.191 h2
  text "0.208mm" at 123.913,74.191 h2
  text "4.5" at 135.42,74.191 h2
  text "2" at 88.191,70.191 h2
  text "Layer 2" at 96.413,70.191 h2
  text "CF-003" at 112.669,70.191 h2
  text "0.018mm" at 123.913,70.191 h2
  text "Dielectric 3" at 96.413,66.191 h2
  text "Core-042" at 112.669,66.191 h2
  text "0.991mm" at 123.913,66.191 h2
  text "4.6" at 135.42,66.191 h2
  text "3" at 88.191,62.191 h2
  text "Layer 3" at 96.413,62.191 h2
  text "CF-003" at 112.669,62.191 h2
  text "0.018mm" at 123.913,62.191 h2
  text "Dielectric 5" at 96.413,58.191 h2
  text "PP-022" at 112.669,58.191 h2
  text "0.208mm" at 123.913,58.191 h2
  text "4.5" at 135.42,58.191 h2
  text "4" at 88.191,54.191 h2
  text "Bottom Layer" at 96.413,54.191 h2
  text "CF-004" at 112.669,54.191 h2
  text "0.035mm" at 123.913,54.191 h2
  text "Bottom Solder" at 96.413,50.191 h2
  text "SM-001" at 112.669,50.191 h2
  text "0.025mm" at 123.913,50.191 h2
  text "4" at 135.42,50.191 h2
  text "Bottom Overlay" at 96.413,46.19 h2
  text "PCB Ordering guideline / ---------------------------- / 1. Layer count : .Layer_Count / 2. Dimensions : .Board_Width x .Board_Height / 3. PCB Thickness : 1.6mm / 4. PCB Color : green / 5. Silkscreen : white / 6. Material type : FR4-TG135 / 7. Surface finish : HASL Pb-free / 8. Gold thickness : 1U\" / 9. Outer copper weight : 1oz / 10. Inner copper weight : 0.5oz / 11. Impedance control : No / 12. Layer stackup : see above / 13. Via covering : Plugged / 14. Minimum via hole diameter : 0.3/0.4mm / 15. Board outline tolerance : +/- 0.2mm / 16. Mark on PCB : 2D bardcode & Number | Data Matrix Code | .board_name _ABCDE_0001 | 8x8mm / 17. Gold fingers : No / 18. Castellated holes : No / 19. Hole count : .Hole_Count / 20. Minimum hole size : .Hole_Size_Min / 21. SMD solder joints : .PadSMD_Count / 22. Through-hole solder joints : .PadThru_Count" at 86,1.401 h2

## Text inside footprints (layer, text, board x,y; h text height)
C21: Top Overlay "+" at 32.5,38.25 h1.5 r270
C22: Top Overlay "+" at 46,14.75 h1.5 r90
C23: Top Overlay "+" at 39,14.75 h1.5 r90
C24: Top Overlay "+" at 39.5,38.25 h1.5 r270